# Allegro board 8880F5-0827_6.brd (continued)
## Footprints (pads in the part's own frame, mm; a bottom-side part is the same pattern mirrored in y, then rotated) (continued)
PG_VG93K_F_G1D102
  round 1.778 hole 0.711: 01(-20.32,-1.27) 02(-17.78,1.27) 03(-15.24,-1.27) 04(-12.7,1.27) 05(-10.16,-1.27) 06(-7.62,1.27) 07(-5.08,-1.27) 08(-2.54,1.27) 09(0,-1.27) 10(2.54,1.27) 11(5.08,-1.27) 12(7.62,1.27) 13(10.16,-1.27) 14(12.7,1.27) 15(15.24,-1.27) 16(17.78,1.27) 17(20.32,-1.27)
  rect 1.778x1.778 hole 0.711: A1(-20.32,-3.81) A2(-17.78,-1.27) A3(-15.24,-3.81) A4(-12.7,-1.27) A5(-10.16,-3.81) A6(-7.62,-1.27) A7(-5.08,-3.81) A8(-2.54,-1.27) A9(0,-3.81) A10(2.54,-1.27) A11(5.08,-3.81) A12(7.62,-1.27) A13(10.16,-3.81) A14(12.7,-1.27) A15(15.24,-3.81) A16(17.78,-1.27) A17(20.32,-3.81) B1(-20.32,1.27) B2(-17.78,3.81) B3(-15.24,1.27) B4(-12.7,3.81) B5(-10.16,1.27) B6(-7.62,3.81) B7(-5.08,1.27) B8(-2.54,3.81) B9(0,1.27) B10(2.54,3.81) B11(5.08,1.27) B12(7.62,3.81) B13(10.16,1.27) B14(12.7,3.81) B15(15.24,1.27) B16(17.78,3.81) B17(20.32,1.27)
PG_VG93K_F_G1D103
  round 1.778 hole 0.711: 01(-20.32,-1.27) 02(-17.78,1.27) 03(-15.24,-1.27) 04(-12.7,1.27) 05(-10.16,-1.27) 06(-7.62,1.27) 07(-5.08,-1.27) 08(-2.54,1.27) 09(0,-1.27) 10(2.54,1.27) 11(5.08,-1.27) 12(7.62,1.27) 13(10.16,-1.27) 14(12.7,1.27) 15(15.24,-1.27) 16(17.78,1.27) 17(20.32,-1.27)
  rect 1.778x1.778 hole 0.711: A1(-20.32,-3.81) A2(-17.78,-1.27) A3(-15.24,-3.81) A4(-12.7,-1.27) A5(-10.16,-3.81) A6(-7.62,-1.27) A7(-5.08,-3.81) A8(-2.54,-1.27) A9(0,-3.81) A10(2.54,-1.27) A11(5.08,-3.81) A12(7.62,-1.27) A13(10.16,-3.81) A14(12.7,-1.27) A15(15.24,-3.81) A16(17.78,-1.27) A17(20.32,-3.81) B1(-20.32,1.27) B2(-17.78,3.81) B3(-15.24,1.27) B4(-12.7,3.81) B5(-10.16,1.27) B6(-7.62,3.81) B7(-5.08,1.27) B8(-2.54,3.81) B9(0,1.27) B10(2.54,3.81) B11(5.08,1.27) B12(7.62,3.81) B13(10.16,1.27) B14(12.7,3.81) B15(15.24,1.27) B16(17.78,3.81) B17(20.32,1.27)
PG_VG93K_F_G1D104
  round 1.778 hole 0.711: 01(-20.32,-1.27) 02(-17.78,1.27) 03(-15.24,-1.27) 04(-12.7,1.27) 05(-10.16,-1.27) 06(-7.62,1.27) 07(-5.08,-1.27) 08(-2.54,1.27) 09(0,-1.27) 10(2.54,1.27) 11(5.08,-1.27) 12(7.62,1.27) 13(10.16,-1.27) 14(12.7,1.27) 15(15.24,-1.27) 16(17.78,1.27) 17(20.32,-1.27)
  rect 1.778x1.778 hole 0.711: A1(-20.32,-3.81) A2(-17.78,-1.27) A3(-15.24,-3.81) A4(-12.7,-1.27) A5(-10.16,-3.81) A6(-7.62,-1.27) A7(-5.08,-3.81) A8(-2.54,-1.27) A9(0,-3.81) A10(2.54,-1.27) A11(5.08,-3.81) A12(7.62,-1.27) A13(10.16,-3.81) A14(12.7,-1.27) A15(15.24,-3.81) A16(17.78,-1.27) A17(20.32,-3.81) B1(-20.32,1.27) B2(-17.78,3.81) B3(-15.24,1.27) B4(-12.7,3.81) B5(-10.16,1.27) B6(-7.62,3.81) B7(-5.08,1.27) B8(-2.54,3.81) B9(0,1.27) B10(2.54,3.81) B11(5.08,1.27) B12(7.62,3.81) B13(10.16,1.27) B14(12.7,3.81) B15(15.24,1.27) B16(17.78,3.81) B17(20.32,1.27)
PG_VG93K_F_G1D106
  round 1.778 hole 0.711: 01(-20.32,-1.27) 02(-17.78,1.27) 03(-15.24,-1.27) 04(-12.7,1.27) 05(-10.16,-1.27) 06(-7.62,1.27) 07(-5.08,-1.27) 08(-2.54,1.27) 09(0,-1.27) 10(2.54,1.27) 11(5.08,-1.27) 12(7.62,1.27) 13(10.16,-1.27) 14(12.7,1.27) 15(15.24,-1.27) 16(17.78,1.27) 17(20.32,-1.27)
  rect 1.778x1.778 hole 0.711: A1(-20.32,-3.81) A2(-17.78,-1.27) A3(-15.24,-3.81) A4(-12.7,-1.27) A5(-10.16,-3.81) A6(-7.62,-1.27) A7(-5.08,-3.81) A8(-2.54,-1.27) A9(0,-3.81) A10(2.54,-1.27) A11(5.08,-3.81) A12(7.62,-1.27) A13(10.16,-3.81) A14(12.7,-1.27) A15(15.24,-3.81) A16(17.78,-1.27) A17(20.32,-3.81) B1(-20.32,1.27) B2(-17.78,3.81) B3(-15.24,1.27) B4(-12.7,3.81) B5(-10.16,1.27) B6(-7.62,3.81) B7(-5.08,1.27) B8(-2.54,3.81) B9(0,1.27) B10(2.54,3.81) B11(5.08,1.27) B12(7.62,3.81) B13(10.16,1.27) B14(12.7,3.81) B15(15.24,1.27) B16(17.78,3.81) B17(20.32,1.27)
PG_VG93K_F_G1D107
  round 1.778 hole 0.711: 01(-20.32,-1.27) 02(-17.78,1.27) 03(-15.24,-1.27) 04(-12.7,1.27) 05(-10.16,-1.27) 06(-7.62,1.27) 07(-5.08,-1.27) 08(-2.54,1.27) 09(0,-1.27) 10(2.54,1.27) 11(5.08,-1.27) 12(7.62,1.27) 13(10.16,-1.27) 14(12.7,1.27) 15(15.24,-1.27) 16(17.78,1.27) 17(20.32,-1.27)
  rect 1.778x1.778 hole 0.711: A1(-20.32,-3.81) A2(-17.78,-1.27) A3(-15.24,-3.81) A4(-12.7,-1.27) A5(-10.16,-3.81) A6(-7.62,-1.27) A7(-5.08,-3.81) A8(-2.54,-1.27) A9(0,-3.81) A10(2.54,-1.27) A11(5.08,-3.81) A12(7.62,-1.27) A13(10.16,-3.81) A14(12.7,-1.27) A15(15.24,-3.81) A16(17.78,-1.27) A17(20.32,-3.81) B1(-20.32,1.27) B2(-17.78,3.81) B3(-15.24,1.27) B4(-12.7,3.81) B5(-10.16,1.27) B6(-7.62,3.81) B7(-5.08,1.27) B8(-2.54,3.81) B9(0,1.27) B10(2.54,3.81) B11(5.08,1.27) B12(7.62,3.81) B13(10.16,1.27) B14(12.7,3.81) B15(15.24,1.27) B16(17.78,3.81) B17(20.32,1.27)
PG_VG93K_F_G1D108
  round 1.778 hole 0.711: 01(-20.32,-1.27) 02(-17.78,1.27) 03(-15.24,-1.27) 04(-12.7,1.27) 05(-10.16,-1.27) 06(-7.62,1.27) 07(-5.08,-1.27) 08(-2.54,1.27) 09(0,-1.27) 10(2.54,1.27) 11(5.08,-1.27) 12(7.62,1.27) 13(10.16,-1.27) 14(12.7,1.27) 15(15.24,-1.27) 16(17.78,1.27) 17(20.32,-1.27)
  rect 1.778x1.778 hole 0.711: A1(-20.32,-3.81) A2(-17.78,-1.27) A3(-15.24,-3.81) A4(-12.7,-1.27) A5(-10.16,-3.81) A6(-7.62,-1.27) A7(-5.08,-3.81) A8(-2.54,-1.27) A9(0,-3.81) A10(2.54,-1.27) A11(5.08,-3.81) A12(7.62,-1.27) A13(10.16,-3.81) A14(12.7,-1.27) A15(15.24,-3.81) A16(17.78,-1.27) A17(20.32,-3.81) B1(-20.32,1.27) B2(-17.78,3.81) B3(-15.24,1.27) B4(-12.7,3.81) B5(-10.16,1.27) B6(-7.62,3.81) B7(-5.08,1.27) B8(-2.54,3.81) B9(0,1.27) B10(2.54,3.81) B11(5.08,1.27) B12(7.62,3.81) B13(10.16,1.27) B14(12.7,3.81) B15(15.24,1.27) B16(17.78,3.81) B17(20.32,1.27)
PG_VG93K_F_G1D301
  round 1.27 hole 0.711: 01(-20.32,-1.27) 02(-17.78,1.27) 03(-15.24,-1.27) 04(-12.7,1.27) 05(-10.16,-1.27) 06(-7.62,1.27) 07(-5.08,-1.27) 08(-2.54,1.27) 09(0,-1.27) 10(2.54,1.27) 11(5.08,-1.27) 12(7.62,1.27) 13(10.16,-1.27) 14(12.7,1.27) 15(15.24,-1.27) 16(17.78,1.27)
  round 1.778 hole 0.711: 17(20.32,-1.27)
  rect 1.27x1.27 hole 0.711: A1(-20.32,-3.81) A2(-17.78,-1.27) A3(-15.24,-3.81) A4(-12.7,-1.27) A5(-10.16,-3.81) A6(-7.62,-1.27) A7(-5.08,-3.81) A8(-2.54,-1.27) A9(0,-3.81) A10(2.54,-1.27) A11(5.08,-3.81) A12(7.62,-1.27) A13(10.16,-3.81) A14(12.7,-1.27) A15(15.24,-3.81) A16(17.78,-1.27) A17(20.32,-3.81) B1(-20.32,1.27) B2(-17.78,3.81) B3(-15.24,1.27) B4(-12.7,3.81) B5(-10.16,1.27) B6(-7.62,3.81) B7(-5.08,1.27) B8(-2.54,3.81) B9(0,1.27) B10(2.54,3.81) B11(5.08,1.27) B12(7.62,3.81) B13(10.16,1.27) B14(12.7,3.81) B15(15.24,1.27) B16(17.78,3.81) B17(20.32,1.27)
PG_VG93K_F_G1D302
  round 1.27 hole 0.711: 01(-20.32,-1.27) 02(-17.78,1.27) 03(-15.24,-1.27) 04(-12.7,1.27) 05(-10.16,-1.27) 06(-7.62,1.27) 07(-5.08,-1.27) 08(-2.54,1.27) 09(0,-1.27) 10(2.54,1.27) 11(5.08,-1.27) 12(7.62,1.27) 13(10.16,-1.27) 14(12.7,1.27) 15(15.24,-1.27) 16(17.78,1.27)
  round 1.778 hole 0.711: 17(20.32,-1.27)
  rect 1.27x1.27 hole 0.711: A1(-20.32,-3.81) A2(-17.78,-1.27) A3(-15.24,-3.81) A4(-12.7,-1.27) A5(-10.16,-3.81) A6(-7.62,-1.27) A7(-5.08,-3.81) A8(-2.54,-1.27) A9(0,-3.81) A10(2.54,-1.27) A11(5.08,-3.81) A12(7.62,-1.27) A13(10.16,-3.81) A14(12.7,-1.27) A15(15.24,-3.81) A16(17.78,-1.27) A17(20.32,-3.81) B1(-20.32,1.27) B2(-17.78,3.81) B3(-15.24,1.27) B4(-12.7,3.81) B5(-10.16,1.27) B6(-7.62,3.81) B7(-5.08,1.27) B8(-2.54,3.81) B9(0,1.27) B10(2.54,3.81) B11(5.08,1.27) B12(7.62,3.81) B13(10.16,1.27) B14(12.7,3.81) B15(15.24,1.27) B16(17.78,3.81) B17(20.32,1.27)
PG_VG93K_F_G1D305
  round 1.27 hole 0.711: 01(-20.32,-1.27) 02(-17.78,1.27) 03(-15.24,-1.27) 04(-12.7,1.27) 05(-10.16,-1.27) 06(-7.62,1.27) 07(-5.08,-1.27) 08(-2.54,1.27) 09(0,-1.27) 10(2.54,1.27) 11(5.08,-1.27) 12(7.62,1.27) 13(10.16,-1.27) 14(12.7,1.27) 15(15.24,-1.27) 16(17.78,1.27)
  round 1.778 hole 0.711: 17(20.32,-1.27)
  rect 1.27x1.27 hole 0.711: A1(-20.32,-3.81) A2(-17.78,-1.27) A3(-15.24,-3.81) A4(-12.7,-1.27) A5(-10.16,-3.81) A6(-7.62,-1.27) A7(-5.08,-3.81) A8(-2.54,-1.27) A9(0,-3.81) A10(2.54,-1.27) A11(5.08,-3.81) A12(7.62,-1.27) A13(10.16,-3.81) A14(12.7,-1.27) A15(15.24,-3.81) A16(17.78,-1.27) A17(20.32,-3.81) B1(-20.32,1.27) B2(-17.78,3.81) B3(-15.24,1.27) B4(-12.7,3.81) B5(-10.16,1.27) B6(-7.62,3.81) B7(-5.08,1.27) B8(-2.54,3.81) B9(0,1.27) B10(2.54,3.81) B11(5.08,1.27) B12(7.62,3.81) B13(10.16,1.27) B14(12.7,3.81) B15(15.24,1.27) B16(17.78,3.81) B17(20.32,1.27)
PG_VG93K_F_G1D306
  round 1.27 hole 0.711: 01(-20.32,-1.27) 02(-17.78,1.27) 03(-15.24,-1.27) 04(-12.7,1.27) 05(-10.16,-1.27) 06(-7.62,1.27) 07(-5.08,-1.27) 08(-2.54,1.27) 09(0,-1.27) 10(2.54,1.27) 11(5.08,-1.27) 12(7.62,1.27) 13(10.16,-1.27) 14(12.7,1.27) 15(15.24,-1.27) 16(17.78,1.27)
  round 1.778 hole 0.711: 17(20.32,-1.27)
  rect 1.27x1.27 hole 0.711: A1(-20.32,-3.81) A2(-17.78,-1.27) A3(-15.24,-3.81) A4(-12.7,-1.27) A5(-10.16,-3.81) A6(-7.62,-1.27) A7(-5.08,-3.81) A8(-2.54,-1.27) A9(0,-3.81) A10(2.54,-1.27) A11(5.08,-3.81) A12(7.62,-1.27) A13(10.16,-3.81) A14(12.7,-1.27) A15(15.24,-3.81) A16(17.78,-1.27) A17(20.32,-3.81) B1(-20.32,1.27) B2(-17.78,3.81) B3(-15.24,1.27) B4(-12.7,3.81) B5(-10.16,1.27) B6(-7.62,3.81) B7(-5.08,1.27) B8(-2.54,3.81) B9(0,1.27) B10(2.54,3.81) B11(5.08,1.27) B12(7.62,3.81) B13(10.16,1.27) B14(12.7,3.81) B15(15.24,1.27) B16(17.78,3.81) B17(20.32,1.27)
PG_VG93K_F_G1DPS1
  round 1.778 hole 0.711: A01(-20.32,-2.54) A02(-17.78,-2.54) A03(-15.24,-2.54) A04(-12.7,-2.54) A05(-10.16,-2.54) A06(-7.62,-2.54) A07(-5.08,-2.54) A08(-2.54,-2.54) A09(0,-2.54) A10(2.54,-2.54) A11(5.08,-2.54) A12(7.62,-2.54) A13(10.16,-2.54) A14(12.7,-2.54) A15(15.24,-2.54) A16(17.78,-2.54) A17(20.32,-2.54) B01(-20.32,0) B02(-17.78,0) B03(-15.24,0) B04(-12.7,0) B05(-10.16,0) B06(-7.62,0) B07(-5.08,0) B08(-2.54,0) B09(0,0) B10(2.54,0) B11(5.08,0) B12(7.62,0) B13(10.16,0) B14(12.7,0) B15(15.24,0) B16(17.78,0) B17(20.32,0) C01(-20.32,2.54) C02(-17.78,2.54) C03(-15.24,2.54) C04(-12.7,2.54) C05(-10.16,2.54) C06(-7.62,2.54) C07(-5.08,2.54) C08(-2.54,2.54) C09(0,2.54) C10(2.54,2.54) C11(5.08,2.54) C12(7.62,2.54) C13(10.16,2.54) C14(12.7,2.54) C15(15.24,2.54) C16(17.78,2.54) C17(20.32,2.54)
PG_VG93K_F_G1UTI2
  round 1.778 hole 0.711: A01(-20.32,-1.27) A02(-17.78,-1.27) A03(-15.24,-1.27) A04(-12.7,-1.27) A05(-10.16,-1.27) A06(-7.62,-1.27) A07(-5.08,-1.27) A08(-2.54,-1.27) A09(0,-1.27) A10(2.54,-1.27) A11(5.08,-1.27) A12(7.62,-1.27) A13(10.16,-1.27) A14(12.7,-1.27) A15(15.24,-1.27) A16(17.78,-1.27) A17(20.32,-1.27) B01(-20.32,1.27) B02(-17.78,1.27) B03(-15.24,1.27) B04(-12.7,1.27) B05(-10.16,1.27) B06(-7.62,1.27) B07(-5.08,1.27) B08(-2.54,1.27) B09(0,1.27) B10(2.54,1.27) B11(5.08,1.27) B12(7.62,1.27) B13(10.16,1.27) B14(12.7,1.27) B15(15.24,1.27) B16(17.78,1.27) B17(20.32,1.27)
PG_VG93K_F_G2D109
  round 1.778 hole 0.711: 01(20.32,1.27) 02(17.78,-1.27) 03(15.24,1.27) 04(12.7,-1.27) 05(10.16,1.27) 06(7.62,-1.27) 07(5.08,1.27) 08(2.54,-1.27) 09(0,1.27) 10(-2.54,-1.27) 11(-5.08,1.27) 12(-7.62,-1.27) 13(-10.16,1.27) 14(-12.7,-1.27) 15(-15.24,1.27) 16(-17.78,-1.27) 17(-20.32,1.27)
  rect 1.778x1.778 hole 0.711: A1(20.32,3.81) A2(17.78,1.27) A3(15.24,3.81) A4(12.7,1.27) A5(10.16,3.81) A6(7.62,1.27) A7(5.08,3.81) A8(2.54,1.27) A9(0,3.81) A10(-2.54,1.27) A11(-5.08,3.81) A12(-7.62,1.27) A13(-10.16,3.81) A14(-12.7,1.27) A15(-15.24,3.81) A16(-17.78,1.27) A17(-20.32,3.81) B1(20.32,-1.27) B2(17.78,-3.81) B3(15.24,-1.27) B4(12.7,-3.81) B5(10.16,-1.27) B6(7.62,-3.81) B7(5.08,-1.27) B8(2.54,-3.81) B9(0,-1.27) B10(-2.54,-3.81) B11(-5.08,-1.27) B12(-7.62,-3.81) B13(-10.16,-1.27) B14(-12.7,-3.81) B15(-15.24,-1.27) B16(-17.78,-3.81) B17(-20.32,-1.27)
PG_VG93K_F_G2D110
  round 1.778 hole 0.711: 01(20.32,1.27) 02(17.78,-1.27) 03(15.24,1.27) 04(12.7,-1.27) 05(10.16,1.27) 06(7.62,-1.27) 07(5.08,1.27) 08(2.54,-1.27) 09(0,1.27) 10(-2.54,-1.27) 11(-5.08,1.27) 12(-7.62,-1.27) 13(-10.16,1.27) 14(-12.7,-1.27) 15(-15.24,1.27) 16(-17.78,-1.27) 17(-20.32,1.27)
  rect 1.778x1.778 hole 0.711: A1(20.32,3.81) A2(17.78,1.27) A3(15.24,3.81) A4(12.7,1.27) A5(10.16,3.81) A6(7.62,1.27) A7(5.08,3.81) A8(2.54,1.27) A9(0,3.81) A10(-2.54,1.27) A11(-5.08,3.81) A12(-7.62,1.27) A13(-10.16,3.81) A14(-12.7,1.27) A15(-15.24,3.81) A16(-17.78,1.27) A17(-20.32,3.81) B1(20.32,-1.27) B2(17.78,-3.81) B3(15.24,-1.27) B4(12.7,-3.81) B5(10.16,-1.27) B6(7.62,-3.81) B7(5.08,-1.27) B8(2.54,-3.81) B9(0,-1.27) B10(-2.54,-3.81) B11(-5.08,-1.27) B12(-7.62,-3.81) B13(-10.16,-1.27) B14(-12.7,-3.81) B15(-15.24,-1.27) B16(-17.78,-3.81) B17(-20.32,-1.27)
PG_VG93K_F_G2D111
  round 1.778 hole 0.711: 01(20.32,1.27) 02(17.78,-1.27) 03(15.24,1.27) 04(12.7,-1.27) 05(10.16,1.27) 06(7.62,-1.27) 07(5.08,1.27) 08(2.54,-1.27) 09(0,1.27) 10(-2.54,-1.27) 11(-5.08,1.27) 12(-7.62,-1.27) 13(-10.16,1.27) 14(-12.7,-1.27) 15(-15.24,1.27) 16(-17.78,-1.27) 17(-20.32,1.27)
  rect 1.778x1.778 hole 0.711: A1(20.32,3.81) A2(17.78,1.27) A3(15.24,3.81) A4(12.7,1.27) A5(10.16,3.81) A6(7.62,1.27) A7(5.08,3.81) A8(2.54,1.27) A9(0,3.81) A10(-2.54,1.27) A11(-5.08,3.81) A12(-7.62,1.27) A13(-10.16,3.81) A14(-12.7,1.27) A15(-15.24,3.81) A16(-17.78,1.27) A17(-20.32,3.81) B1(20.32,-1.27) B2(17.78,-3.81) B3(15.24,-1.27) B4(12.7,-3.81) B5(10.16,-1.27) B6(7.62,-3.81) B7(5.08,-1.27) B8(2.54,-3.81) B9(0,-1.27) B10(-2.54,-3.81) B11(-5.08,-1.27) B12(-7.62,-3.81) B13(-10.16,-1.27) B14(-12.7,-3.81) B15(-15.24,-1.27) B16(-17.78,-3.81) B17(-20.32,-1.27)
PG_VG93K_F_G2D112
  round 1.778 hole 0.711: 01(20.32,1.27) 02(17.78,-1.27) 03(15.24,1.27) 04(12.7,-1.27) 05(10.16,1.27) 06(7.62,-1.27) 07(5.08,1.27) 08(2.54,-1.27) 09(0,1.27) 10(-2.54,-1.27) 11(-5.08,1.27) 12(-7.62,-1.27) 13(-10.16,1.27) 14(-12.7,-1.27) 15(-15.24,1.27) 16(-17.78,-1.27) 17(-20.32,1.27)
  rect 1.778x1.778 hole 0.711: A1(20.32,3.81) A2(17.78,1.27) A3(15.24,3.81) A4(12.7,1.27) A5(10.16,3.81) A6(7.62,1.27) A7(5.08,3.81) A8(2.54,1.27) A9(0,3.81) A10(-2.54,1.27) A11(-5.08,3.81) A12(-7.62,1.27) A13(-10.16,3.81) A14(-12.7,1.27) A15(-15.24,3.81) A16(-17.78,1.27) A17(-20.32,3.81) B1(20.32,-1.27) B2(17.78,-3.81) B3(15.24,-1.27) B4(12.7,-3.81) B5(10.16,-1.27) B6(7.62,-3.81) B7(5.08,-1.27) B8(2.54,-3.81) B9(0,-1.27) B10(-2.54,-3.81) B11(-5.08,-1.27) B12(-7.62,-3.81) B13(-10.16,-1.27) B14(-12.7,-3.81) B15(-15.24,-1.27) B16(-17.78,-3.81) B17(-20.32,-1.27)
PG_VG93K_F_G2D113
  round 1.778 hole 0.711: 01(20.32,1.27) 02(17.78,-1.27) 03(15.24,1.27) 04(12.7,-1.27) 05(10.16,1.27) 06(7.62,-1.27) 07(5.08,1.27) 08(2.54,-1.27) 09(0,1.27) 10(-2.54,-1.27) 11(-5.08,1.27) 12(-7.62,-1.27) 13(-10.16,1.27) 14(-12.7,-1.27) 15(-15.24,1.27) 16(-17.78,-1.27) 17(-20.32,1.27)
  rect 1.778x1.778 hole 0.711: A1(20.32,3.81) A2(17.78,1.27) A3(15.24,3.81) A4(12.7,1.27) A5(10.16,3.81) A6(7.62,1.27) A7(5.08,3.81) A8(2.54,1.27) A9(0,3.81) A10(-2.54,1.27) A11(-5.08,3.81) A12(-7.62,1.27) A13(-10.16,3.81) A14(-12.7,1.27) A15(-15.24,3.81) A16(-17.78,1.27) A17(-20.32,3.81) B1(20.32,-1.27) B2(17.78,-3.81) B3(15.24,-1.27) B4(12.7,-3.81) B5(10.16,-1.27) B6(7.62,-3.81) B7(5.08,-1.27) B8(2.54,-3.81) B9(0,-1.27) B10(-2.54,-3.81) B11(-5.08,-1.27) B12(-7.62,-3.81) B13(-10.16,-1.27) B14(-12.7,-3.81) B15(-15.24,-1.27) B16(-17.78,-3.81) B17(-20.32,-1.27)
PG_VG93K_F_G2D114
  round 1.778 hole 0.711: 01(20.32,1.27) 02(17.78,-1.27) 03(15.24,1.27) 04(12.7,-1.27) 05(10.16,1.27) 06(7.62,-1.27) 07(5.08,1.27) 08(2.54,-1.27) 09(0,1.27) 10(-2.54,-1.27) 11(-5.08,1.27) 12(-7.62,-1.27) 13(-10.16,1.27) 14(-12.7,-1.27) 15(-15.24,1.27) 16(-17.78,-1.27) 17(-20.32,1.27)
  rect 1.778x1.778 hole 0.711: A1(20.32,3.81) A2(17.78,1.27) A3(15.24,3.81) A4(12.7,1.27) A5(10.16,3.81) A6(7.62,1.27) A7(5.08,3.81) A8(2.54,1.27) A9(0,3.81) A10(-2.54,1.27) A11(-5.08,3.81) A12(-7.62,1.27) A13(-10.16,3.81) A14(-12.7,1.27) A15(-15.24,3.81) A16(-17.78,1.27) A17(-20.32,3.81) B1(20.32,-1.27) B2(17.78,-3.81) B3(15.24,-1.27) B4(12.7,-3.81) B5(10.16,-1.27) B6(7.62,-3.81) B7(5.08,-1.27) B8(2.54,-3.81) B9(0,-1.27) B10(-2.54,-3.81) B11(-5.08,-1.27) B12(-7.62,-3.81) B13(-10.16,-1.27) B14(-12.7,-3.81) B15(-15.24,-1.27) B16(-17.78,-3.81) B17(-20.32,-1.27)
PG_VG93K_F_G2D115
  round 1.778 hole 0.711: 01(20.32,1.27) 02(17.78,-1.27) 03(15.24,1.27) 04(12.7,-1.27) 05(10.16,1.27) 06(7.62,-1.27) 07(5.08,1.27) 08(2.54,-1.27) 09(0,1.27) 10(-2.54,-1.27) 11(-5.08,1.27) 12(-7.62,-1.27) 13(-10.16,1.27) 14(-12.7,-1.27) 15(-15.24,1.27) 16(-17.78,-1.27) 17(-20.32,1.27)
  rect 1.778x1.778 hole 0.711: A1(20.32,3.81) A2(17.78,1.27) A3(15.24,3.81) A4(12.7,1.27) A5(10.16,3.81) A6(7.62,1.27) A7(5.08,3.81) A8(2.54,1.27) A9(0,3.81) A10(-2.54,1.27) A11(-5.08,3.81) A12(-7.62,1.27) A13(-10.16,3.81) A14(-12.7,1.27) A15(-15.24,3.81) A16(-17.78,1.27) A17(-20.32,3.81) B1(20.32,-1.27) B2(17.78,-3.81) B3(15.24,-1.27) B4(12.7,-3.81) B5(10.16,-1.27) B6(7.62,-3.81) B7(5.08,-1.27) B8(2.54,-3.81) B9(0,-1.27) B10(-2.54,-3.81) B11(-5.08,-1.27) B12(-7.62,-3.81) B13(-10.16,-1.27) B14(-12.7,-3.81) B15(-15.24,-1.27) B16(-17.78,-3.81) B17(-20.32,-1.27)
PG_VG93K_F_G2D116
  round 1.778 hole 0.711: 01(20.32,1.27) 02(17.78,-1.27) 03(15.24,1.27) 04(12.7,-1.27) 05(10.16,1.27) 06(7.62,-1.27) 07(5.08,1.27) 08(2.54,-1.27) 09(0,1.27) 10(-2.54,-1.27) 11(-5.08,1.27) 12(-7.62,-1.27) 13(-10.16,1.27) 14(-12.7,-1.27) 15(-15.24,1.27) 16(-17.78,-1.27) 17(-20.32,1.27)
  rect 1.778x1.778 hole 0.711: A1(20.32,3.81) A2(17.78,1.27) A3(15.24,3.81) A4(12.7,1.27) A5(10.16,3.81) A6(7.62,1.27) A7(5.08,3.81) A8(2.54,1.27) A9(0,3.81) A10(-2.54,1.27) A11(-5.08,3.81) A12(-7.62,1.27) A13(-10.16,3.81) A14(-12.7,1.27) A15(-15.24,3.81) A16(-17.78,1.27) A17(-20.32,3.81) B1(20.32,-1.27) B2(17.78,-3.81) B3(15.24,-1.27) B4(12.7,-3.81) B5(10.16,-1.27) B6(7.62,-3.81) B7(5.08,-1.27) B8(2.54,-3.81) B9(0,-1.27) B10(-2.54,-3.81) B11(-5.08,-1.27) B12(-7.62,-3.81) B13(-10.16,-1.27) B14(-12.7,-3.81) B15(-15.24,-1.27) B16(-17.78,-3.81) B17(-20.32,-1.27)
PG_VG93K_F_G2DPS2
  round 1.778 hole 0.711: A01(20.32,2.54) A02(17.78,2.54) A03(15.24,2.54) A04(12.7,2.54) A05(10.16,2.54) A06(7.62,2.54) A07(5.08,2.54) A08(2.54,2.54) A09(0,2.54) A10(-2.54,2.54) A11(-5.08,2.54) A12(-7.62,2.54) A13(-10.16,2.54) A14(-12.7,2.54) A15(-15.24,2.54) A16(-17.78,2.54) A17(-20.32,2.54) B01(20.32,0) B02(17.78,0) B03(15.24,0) B04(12.7,0) B05(10.16,0) B06(7.62,0) B07(5.08,0) B08(2.54,0) B09(0,0) B10(-2.54,0) B11(-5.08,0) B12(-7.62,0) B13(-10.16,0) B14(-12.7,0) B15(-15.24,0) B16(-17.78,0) B17(-20.32,0) C01(20.32,-2.54) C02(17.78,-2.54) C03(15.24,-2.54) C04(12.7,-2.54) C05(10.16,-2.54) C06(7.62,-2.54) C07(5.08,-2.54) C08(2.54,-2.54) C09(0,-2.54) C10(-2.54,-2.54) C11(-5.08,-2.54) C12(-7.62,-2.54) C13(-10.16,-2.54) C14(-12.7,-2.54) C15(-15.24,-2.54) C16(-17.78,-2.54) C17(-20.32,-2.54)
PG_VG93K_F_G2UTI3
  round 1.778 hole 0.711: A01(20.32,1.27) A02(17.78,1.27) A03(15.24,1.27) A04(12.7,1.27) A05(10.16,1.27) A06(7.62,1.27) A07(5.08,1.27) A08(2.54,1.27) A09(0,1.27) A10(-2.54,1.27) A11(-5.08,1.27) A12(-7.62,1.27) A13(-10.16,1.27) A14(-12.7,1.27) A15(-15.24,1.27) A16(-17.78,1.27) A17(-20.32,1.27) B01(20.32,-1.27) B02(17.78,-1.27) B03(15.24,-1.27) B04(12.7,-1.27) B05(10.16,-1.27) B06(7.62,-1.27) B07(5.08,-1.27) B08(2.54,-1.27) B09(0,-1.27) B10(-2.54,-1.27) B11(-5.08,-1.27) B12(-7.62,-1.27) B13(-10.16,-1.27) B14(-12.7,-1.27) B15(-15.24,-1.27) B16(-17.78,-1.27) B17(-20.32,-1.27)
PG_VG93K_F_G3D118
  round 1.778 hole 0.711: 01(-20.32,-1.27) 02(-17.78,1.27) 03(-15.24,-1.27) 04(-12.7,1.27) 05(-10.16,-1.27) 06(-7.62,1.27) 07(-5.08,-1.27) 08(-2.54,1.27) 09(0,-1.27) 10(2.54,1.27) 11(5.08,-1.27) 12(7.62,1.27) 13(10.16,-1.27) 14(12.7,1.27) 15(15.24,-1.27) 16(17.78,1.27) 17(20.32,-1.27)
  rect 1.778x1.778 hole 0.711: A1(-20.32,-3.81) A2(-17.78,-1.27) A3(-15.24,-3.81) A4(-12.7,-1.27) A5(-10.16,-3.81) A6(-7.62,-1.27) A7(-5.08,-3.81) A8(-2.54,-1.27) A9(0,-3.81) A10(2.54,-1.27) A11(5.08,-3.81) A12(7.62,-1.27) A13(10.16,-3.81) A14(12.7,-1.27) A15(15.24,-3.81) A16(17.78,-1.27) A17(20.32,-3.81) B1(-20.32,1.27) B2(-17.78,3.81) B3(-15.24,1.27) B4(-12.7,3.81) B5(-10.16,1.27) B6(-7.62,3.81) B7(-5.08,1.27) B8(-2.54,3.81) B9(0,1.27) B10(2.54,3.81) B11(5.08,1.27) B12(7.62,3.81) B13(10.16,1.27) B14(12.7,3.81) B15(15.24,1.27) B16(17.78,3.81) B17(20.32,1.27)
PG_VG93K_F_G3D119
  round 1.778 hole 0.711: 01(-20.32,-1.27) 02(-17.78,1.27) 03(-15.24,-1.27) 04(-12.7,1.27) 05(-10.16,-1.27) 06(-7.62,1.27) 07(-5.08,-1.27) 08(-2.54,1.27) 09(0,-1.27) 10(2.54,1.27) 11(5.08,-1.27) 12(7.62,1.27) 13(10.16,-1.27) 14(12.7,1.27) 15(15.24,-1.27) 16(17.78,1.27) 17(20.32,-1.27)
  rect 1.778x1.778 hole 0.711: A1(-20.32,-3.81) A2(-17.78,-1.27) A3(-15.24,-3.81) A4(-12.7,-1.27) A5(-10.16,-3.81) A6(-7.62,-1.27) A7(-5.08,-3.81) A8(-2.54,-1.27) A9(0,-3.81) A10(2.54,-1.27) A11(5.08,-3.81) A12(7.62,-1.27) A13(10.16,-3.81) A14(12.7,-1.27) A15(15.24,-3.81) A16(17.78,-1.27) A17(20.32,-3.81) B1(-20.32,1.27) B2(-17.78,3.81) B3(-15.24,1.27) B4(-12.7,3.81) B5(-10.16,1.27) B6(-7.62,3.81) B7(-5.08,1.27) B8(-2.54,3.81) B9(0,1.27) B10(2.54,3.81) B11(5.08,1.27) B12(7.62,3.81) B13(10.16,1.27) B14(12.7,3.81) B15(15.24,1.27) B16(17.78,3.81) B17(20.32,1.27)
PG_VG93K_F_G3D120
  round 1.778 hole 0.711: 01(-20.32,-1.27) 02(-17.78,1.27) 03(-15.24,-1.27) 04(-12.7,1.27) 05(-10.16,-1.27) 06(-7.62,1.27) 07(-5.08,-1.27) 08(-2.54,1.27) 09(0,-1.27) 10(2.54,1.27) 11(5.08,-1.27) 12(7.62,1.27) 13(10.16,-1.27) 14(12.7,1.27) 15(15.24,-1.27) 16(17.78,1.27) 17(20.32,-1.27)
  rect 1.778x1.778 hole 0.711: A1(-20.32,-3.81) A2(-17.78,-1.27) A3(-15.24,-3.81) A4(-12.7,-1.27) A5(-10.16,-3.81) A6(-7.62,-1.27) A7(-5.08,-3.81) A8(-2.54,-1.27) A9(0,-3.81) A10(2.54,-1.27) A11(5.08,-3.81) A12(7.62,-1.27) A13(10.16,-3.81) A14(12.7,-1.27) A15(15.24,-3.81) A16(17.78,-1.27) A17(20.32,-3.81) B1(-20.32,1.27) B2(-17.78,3.81) B3(-15.24,1.27) B4(-12.7,3.81) B5(-10.16,1.27) B6(-7.62,3.81) B7(-5.08,1.27) B8(-2.54,3.81) B9(0,1.27) B10(2.54,3.81) B11(5.08,1.27) B12(7.62,3.81) B13(10.16,1.27) B14(12.7,3.81) B15(15.24,1.27) B16(17.78,3.81) B17(20.32,1.27)
PG_VG93K_F_G3D122
  round 1.778 hole 0.711: 01(-20.32,-1.27) 02(-17.78,1.27) 03(-15.24,-1.27) 04(-12.7,1.27) 05(-10.16,-1.27) 06(-7.62,1.27) 07(-5.08,-1.27) 08(-2.54,1.27) 09(0,-1.27) 10(2.54,1.27) 11(5.08,-1.27) 12(7.62,1.27) 13(10.16,-1.27) 14(12.7,1.27) 15(15.24,-1.27) 16(17.78,1.27) 17(20.32,-1.27)
  rect 1.778x1.778 hole 0.711: A1(-20.32,-3.81) A2(-17.78,-1.27) A3(-15.24,-3.81) A4(-12.7,-1.27) A5(-10.16,-3.81) A6(-7.62,-1.27) A7(-5.08,-3.81) A8(-2.54,-1.27) A9(0,-3.81) A10(2.54,-1.27) A11(5.08,-3.81) A12(7.62,-1.27) A13(10.16,-3.81) A14(12.7,-1.27) A15(15.24,-3.81) A16(17.78,-1.27) A17(20.32,-3.81) B1(-20.32,1.27) B2(-17.78,3.81) B3(-15.24,1.27) B4(-12.7,3.81) B5(-10.16,1.27) B6(-7.62,3.81) B7(-5.08,1.27) B8(-2.54,3.81) B9(0,1.27) B10(2.54,3.81) B11(5.08,1.27) B12(7.62,3.81) B13(10.16,1.27) B14(12.7,3.81) B15(15.24,1.27) B16(17.78,3.81) B17(20.32,1.27)
PG_VG93K_F_G3D123
  round 1.778 hole 0.711: 01(-20.32,-1.27) 02(-17.78,1.27) 03(-15.24,-1.27) 04(-12.7,1.27) 05(-10.16,-1.27) 06(-7.62,1.27) 07(-5.08,-1.27) 08(-2.54,1.27) 09(0,-1.27) 10(2.54,1.27) 11(5.08,-1.27) 12(7.62,1.27) 13(10.16,-1.27) 14(12.7,1.27) 15(15.24,-1.27) 16(17.78,1.27) 17(20.32,-1.27)
  rect 1.778x1.778 hole 0.711: A1(-20.32,-3.81) A2(-17.78,-1.27) A3(-15.24,-3.81) A4(-12.7,-1.27) A5(-10.16,-3.81) A6(-7.62,-1.27) A7(-5.08,-3.81) A8(-2.54,-1.27) A9(0,-3.81) A10(2.54,-1.27) A11(5.08,-3.81) A12(7.62,-1.27) A13(10.16,-3.81) A14(12.7,-1.27) A15(15.24,-3.81) A16(17.78,-1.27) A17(20.32,-3.81) B1(-20.32,1.27) B2(-17.78,3.81) B3(-15.24,1.27) B4(-12.7,3.81) B5(-10.16,1.27) B6(-7.62,3.81) B7(-5.08,1.27) B8(-2.54,3.81) B9(0,1.27) B10(2.54,3.81) B11(5.08,1.27) B12(7.62,3.81) B13(10.16,1.27) B14(12.7,3.81) B15(15.24,1.27) B16(17.78,3.81) B17(20.32,1.27)
PG_VG93K_F_G3D124
  round 1.778 hole 0.711: 01(-20.32,-1.27) 02(-17.78,1.27) 03(-15.24,-1.27) 04(-12.7,1.27) 05(-10.16,-1.27) 06(-7.62,1.27) 07(-5.08,-1.27) 08(-2.54,1.27) 09(0,-1.27) 10(2.54,1.27) 11(5.08,-1.27) 12(7.62,1.27) 13(10.16,-1.27) 14(12.7,1.27) 15(15.24,-1.27) 16(17.78,1.27) 17(20.32,-1.27)
  rect 1.778x1.778 hole 0.711: A1(-20.32,-3.81) A2(-17.78,-1.27) A3(-15.24,-3.81) A4(-12.7,-1.27) A5(-10.16,-3.81) A6(-7.62,-1.27) A7(-5.08,-3.81) A8(-2.54,-1.27) A9(0,-3.81) A10(2.54,-1.27) A11(5.08,-3.81) A12(7.62,-1.27) A13(10.16,-3.81) A14(12.7,-1.27) A15(15.24,-3.81) A16(17.78,-1.27) A17(20.32,-3.81) B1(-20.32,1.27) B2(-17.78,3.81) B3(-15.24,1.27) B4(-12.7,3.81) B5(-10.16,1.27) B6(-7.62,3.81) B7(-5.08,1.27) B8(-2.54,3.81) B9(0,1.27) B10(2.54,3.81) B11(5.08,1.27) B12(7.62,3.81) B13(10.16,1.27) B14(12.7,3.81) B15(15.24,1.27) B16(17.78,3.81) B17(20.32,1.27)
PG_VG93K_F_G3D317
  round 1.27 hole 0.711: 01(-20.32,-1.27) 02(-17.78,1.27) 03(-15.24,-1.27) 04(-12.7,1.27) 05(-10.16,-1.27) 06(-7.62,1.27) 07(-5.08,-1.27) 08(-2.54,1.27) 09(0,-1.27) 10(2.54,1.27) 11(5.08,-1.27) 12(7.62,1.27) 13(10.16,-1.27) 14(12.7,1.27) 15(15.24,-1.27) 16(17.78,1.27)
  round 1.778 hole 0.711: 17(20.32,-1.27)
  rect 1.27x1.27 hole 0.711: A1(-20.32,-3.81) A2(-17.78,-1.27) A3(-15.24,-3.81) A4(-12.7,-1.27) A5(-10.16,-3.81) A6(-7.62,-1.27) A7(-5.08,-3.81) A8(-2.54,-1.27) A9(0,-3.81) A10(2.54,-1.27) A11(5.08,-3.81) A12(7.62,-1.27) A13(10.16,-3.81) A14(12.7,-1.27) A15(15.24,-3.81) A16(17.78,-1.27) A17(20.32,-3.81) B1(-20.32,1.27) B2(-17.78,3.81) B3(-15.24,1.27) B4(-12.7,3.81) B5(-10.16,1.27) B6(-7.62,3.81) B7(-5.08,1.27) B8(-2.54,3.81) B9(0,1.27) B10(2.54,3.81) B11(5.08,1.27) B12(7.62,3.81) B13(10.16,1.27) B14(12.7,3.81) B15(15.24,1.27) B16(17.78,3.81) B17(20.32,1.27)
PG_VG93K_F_G3D318
  round 1.27 hole 0.711: 01(-20.32,-1.27) 02(-17.78,1.27) 03(-15.24,-1.27) 04(-12.7,1.27) 05(-10.16,-1.27) 06(-7.62,1.27) 07(-5.08,-1.27) 08(-2.54,1.27) 09(0,-1.27) 10(2.54,1.27) 11(5.08,-1.27) 12(7.62,1.27) 13(10.16,-1.27) 14(12.7,1.27) 15(15.24,-1.27) 16(17.78,1.27)
  round 1.778 hole 0.711: 17(20.32,-1.27)
  rect 1.27x1.27 hole 0.711: A1(-20.32,-3.81) A2(-17.78,-1.27) A3(-15.24,-3.81) A4(-12.7,-1.27) A5(-10.16,-3.81) A6(-7.62,-1.27) A7(-5.08,-3.81) A8(-2.54,-1.27) A9(0,-3.81) A10(2.54,-1.27) A11(5.08,-3.81) A12(7.62,-1.27) A13(10.16,-3.81) A14(12.7,-1.27) A15(15.24,-3.81) A16(17.78,-1.27) A17(20.32,-3.81) B1(-20.32,1.27) B2(-17.78,3.81) B3(-15.24,1.27) B4(-12.7,3.81) B5(-10.16,1.27) B6(-7.62,3.81) B7(-5.08,1.27) B8(-2.54,3.81) B9(0,1.27) B10(2.54,3.81) B11(5.08,1.27) B12(7.62,3.81) B13(10.16,1.27) B14(12.7,3.81) B15(15.24,1.27) B16(17.78,3.81) B17(20.32,1.27)